# Altium PCB TIMESTICK_2.1.PcbDoc (part 1 of 2) (continued)
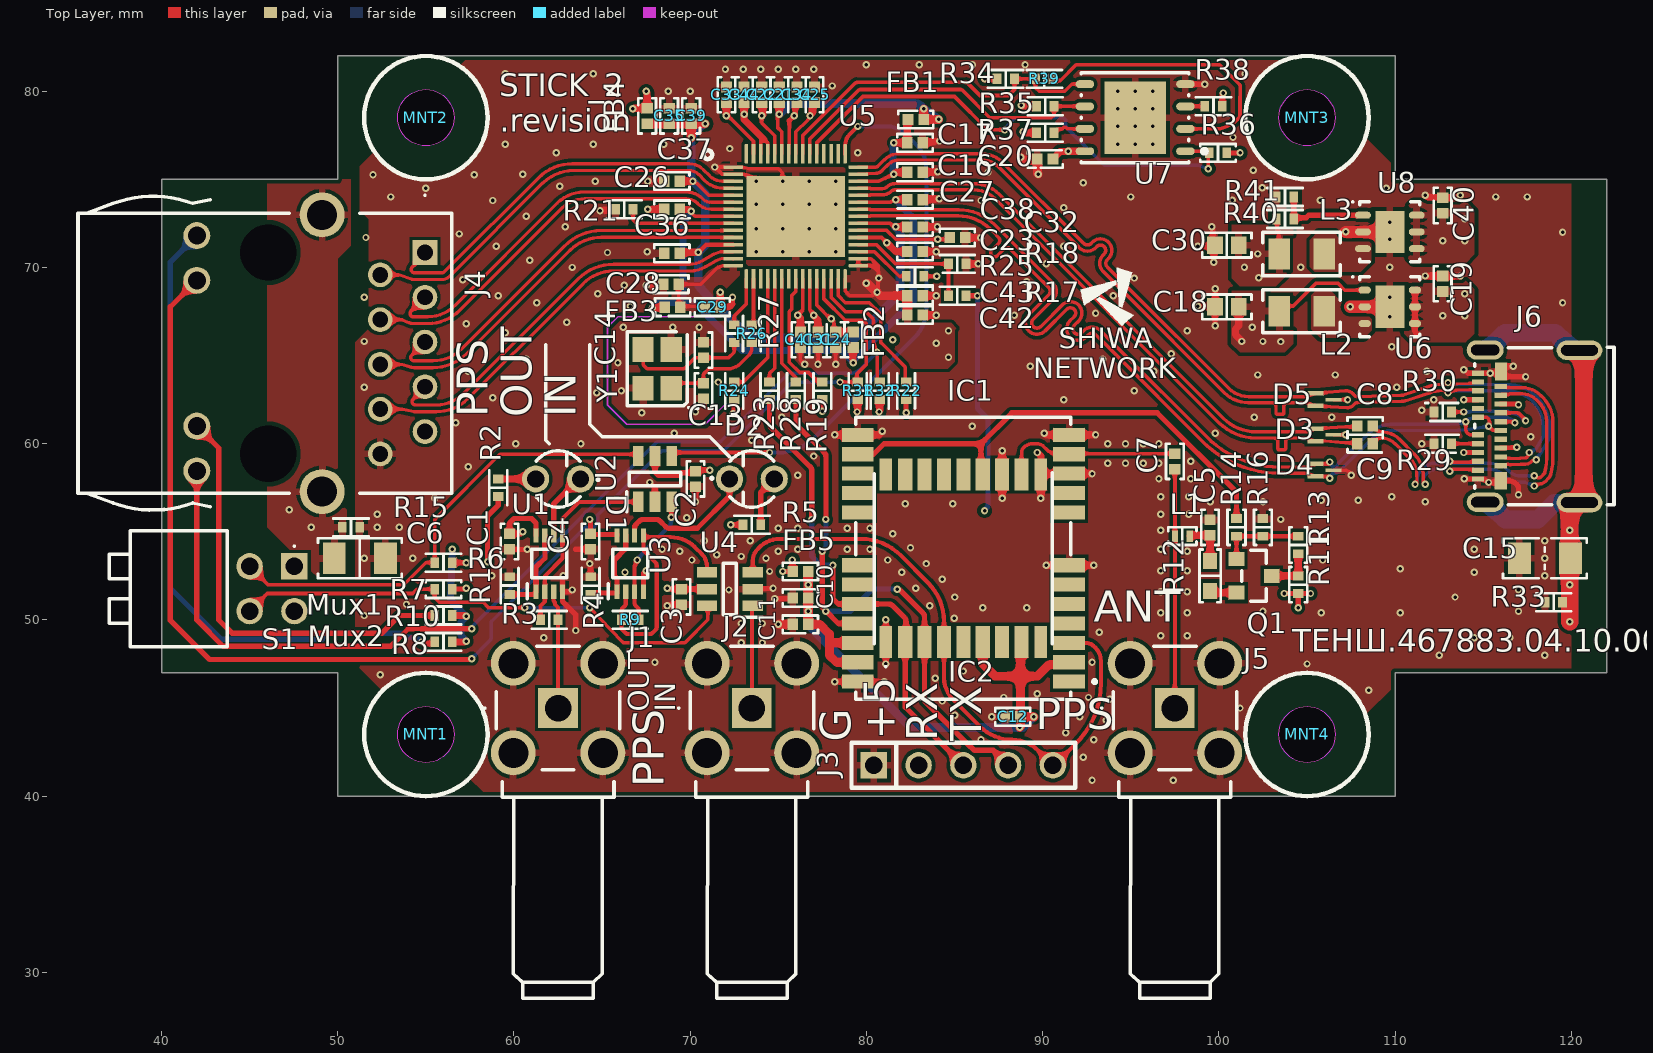
[diagram p0: Top Layer view]
## Part data (continued)
L2 L3: library part LQM2HPN3R3MG0L, "FIXED IND 3.3UH 1.2A 100 MOHM", Current Rating (Amps)=1.2A, DC Resistance (DCR)="125mOhm Max", Device Package="1008 (2520 Metric)", Frequency - Self Resonant=30MHz, Inductance Frequency - Test=1MHz, Manufacturer="Murata Electronics", Operating Temperature="-55°C ~ 125°C", Supplier Part Number 1=490-5115-1-ND, Tolerance=±20%, componentlink1description=Datasheet, componentlink1url=https://search.murata.co.jp/Ceramy/image/img/P02/JELF243B-0019.pdf, componentlink2description="DigiKey Link", componentlink2url=http://digikey.com/product-detail/en/murata-electronics/LQM2HPN3R3MG0L/490-5115-1-ND/1893678, Height - Seated (Max)="0.039\" (1.00mm)", Inductance=3.3µH, LastUpdated="02.09.2020 1:29:06", Lifecycle Status=Active, Material - Core=Ferrite, Minimum Order=1, Mounting Type="Surface Mount", Package / Case="1008 (2520 Metric)", packaging=TapeAndReel, Part Number=LQM2HPN3R3MG0L, Part Status=Active, partid=3442, Price=0.12, series=LQM2, Shielding=Shielded, Size / Dimension="0.098\" L x 0.079\" W (2.50mm x 2.00mm)", Supplier 1=DigiKey, Supplier Device Package="1008 (2520 Metric)", Type=Multilayer
MNT1 MNT2 MNT3 MNT4: "Mount hole"
Q1: "MOSFET BVDSS: 8V-24V SOT23 T&R 3", Current - Continuous Drain (Id) @ 25°C="2.8A (Ta)", Drain to Source Voltage (Vdss)=20V, Drive Voltage (Max Rds On,  Min Rds On)="2.5V, 4.5V", Input Capacitance (Ciss) (Max) @ Vds="130pF @ 10V", Manufacturer="Diodes Incorporated", Operating Temperature="-55°C ~ 150°C (TJ)", Package / Case="TO-236-3, SC-59, SOT-23-3", Power Dissipation (Max)="660mW (Ta)", Supplier Device Package=SOT-23, Supplier Part Number 1=31-DMG2302UKQ-7CT-ND, componentlink2description="DigiKey Link", componentlink2url=http://digikey.com/product-detail/en/diodes-incorporated/DMG2302UKQ-7/31-DMG2302UKQ-7CT-ND/11656546, FET Type=N-Channel, Gate Charge (Qg) (Max) @ Vgs="2.8nC @ 10V", LastUpdated="30.08.2020 21:04:43", Lifecycle Status=Active, Minimum Order=1, Mounting Type="Surface Mount", packaging=TapeAndReel, Part Number=DMG2302UKQ-7, Price=0.09, Rds On (Max) @ Id, Vgs="90mOhm @ 3.6A, 4.5V", series="Automotive, AEC-Q101", Supplier 1=DigiKey, Technology="MOSFET (Metal Oxide)", Vgs (Max)=±12V, Vgs(th) (Max) @ Id="1V @ 250µA"
R1 R2 R4 R5 R31 R32 R34 R35 R36 R37 R38: library part RC0402FR-074k7L, "RES 4.7K OHM 1% 1/16W 0402", Device Package="0402 (1005 Metric)", Manufacturer=Yageo, Operating Temperature="-55°C ~ 155°C", Part Number=RC0402FR-074K7L, Power (Watts)="0.063W, 1/16W", Supplier Device Package=0402, Supplier Part Number 1=311-4.7KLRCT-ND, Temperature Coefficient=±100ppm/°C, Tolerance=±1%, componentlink1description=Datasheet, componentlink1url=https://www.yageo.com/upload/media/product/productsearch/datasheet/rchip/PYu-RC_Group_51_RoHS_L_10.pdf, componentlink2description="DigiKey Link", componentlink2url=https://www.digikey.com/en/products/detail/yageo/RC0402FR-074K7L/2827563, Composition="Thick Film", Features="Moisture Resistant", Height - Seated (Max)="0.016\" (0.40mm)", LastUpdated="25.07.2024 9:18:11", Lifecycle Status=Active, Minimum Order=1, Number of Terminations=2, Package / Case="0402 (1005 Metric)", packaging=CutTape, Part Status=Active, partid=17603, Price=0.01, Resistance="4.7 kOhms", series=RC_L, Size / Dimension="0.039\" L x 0.020\" W (1.00mm x 0.50mm)", Supplier 1=DigiKey
R3 R9 R11 R13 R14 R16 R23 R26 R28: library part RC0402FR-070RL, "RES 0 OHM JUMPER 1/16W 0402", Device Package="0402 (1005 Metric)", Manufacturer=Yageo, Operating Temperature="-55°C ~ 155°C", Power (Watts)="0.063W, 1/16W", Supplier Device Package=0402, Supplier Part Number 1=311-0.0LRCT-ND, Tolerance=Jumper, componentlink1description=Datasheet, componentlink1url=https://www.yageo.com/upload/media/product/productsearch/datasheet/rchip/PYu-RC_Group_51_RoHS_L_10.pdf, componentlink2description="DigiKey Link", componentlink2url=https://www.digikey.com/en/products/detail/yageo/RC0402FR-070RL/2827570, Composition="Thick Film", Features="Moisture Resistant", Height - Seated (Max)="0.016\" (0.40mm)", LastUpdated="25.07.2024 9:18:11", Lifecycle Status=Active, Minimum Order=1, Number of Terminations=2, Package / Case="0402 (1005 Metric)", packaging=CutTape, Part Number=RC0402FR-070RL, Part Status=Active, partid=17630, Price=0.01, Resistance="0 Ohms", series=RC_L, Size / Dimension="0.039\" L x 0.020\" W (1.00mm x 0.50mm)", Supplier 1=DigiKey
R6 R7 R19 R40: library part RC0402FR-0710KL, "RES 10K OHM 1% 1/16W 0402", Device Package="0402 (1005 Metric)", Manufacturer=Yageo, Operating Temperature="-55°C ~ 155°C", Power (Watts)="0.063W, 1/16W", Supplier Device Package=0402, Supplier Part Number 1=311-10.0KLRCT-ND, Temperature Coefficient=±100ppm/°C, Tolerance=±1%, componentlink1description=Datasheet, componentlink1url=https://www.yageo.com/upload/media/product/productsearch/datasheet/rchip/PYu-RC_Group_51_RoHS_L_10.pdf, componentlink2description="DigiKey Link", componentlink2url=https://www.digikey.com/en/products/detail/yageo/RC0402FR-0710KL/726523, Composition="Thick Film", Features="Moisture Resistant", Height - Seated (Max)="0.016\" (0.40mm)", LastUpdated="25.07.2024 9:18:11", Lifecycle Status=Active, Minimum Order=1, Number of Terminations=2, Package / Case="0402 (1005 Metric)", packaging=CutTape, Part Number=RC0402FR-0710KL, Part Status=Active, partid=17593, Price=0.01, Resistance="10 kOhms", series=RC_L, Size / Dimension="0.039\" L x 0.020\" W (1.00mm x 0.50mm)", Supplier 1=DigiKey
R8 R10: library part RC0402FR-07330RL, "RES 330 OHM 1% 1/16W 0402", Device Package="0402 (1005 Metric)", Manufacturer=Yageo, Operating Temperature="-55°C ~ 155°C", Power (Watts)="0.063W, 1/16W", Supplier Device Package=0402, Supplier Part Number 1=311-330LRCT-ND, Temperature Coefficient=±100ppm/°C, Tolerance=±1%, componentlink1description=Datasheet, componentlink1url=https://www.yageo.com/upload/media/product/productsearch/datasheet/rchip/PYu-RC_Group_51_RoHS_L_10.pdf, componentlink2description="DigiKey Link", componentlink2url=https://www.digikey.com/en/products/detail/yageo/RC0402FR-07330RL/726594, Composition="Thick Film", Features="Moisture Resistant", Height - Seated (Max)="0.016\" (0.40mm)", LastUpdated="25.07.2024 9:18:08", Lifecycle Status=Active, Minimum Order=1, Number of Terminations=2, Package / Case="0402 (1005 Metric)", packaging=CutTape, Part Number=RC0402FR-07330RL, Part Status=Active, partid=20556, Price=0.01, Resistance="330 Ohms", series=RC_L, Size / Dimension="0.039\" L x 0.020\" W (1.00mm x 0.50mm)", Supplier 1=DigiKey
R12: library part RC0603FR-0710RL, "RES 10 OHM 1% 1/10W 0603", Device Package="0603 (1608 Metric)", Manufacturer=Yageo, Operating Temperature="-55°C ~ 155°C", Power (Watts)="0.1W, 1/10W", Supplier Device Package=0603, Supplier Part Number 1=311-10.0HRCT-ND, Temperature Coefficient=±200ppm/°C, Tolerance=±1%, componentlink1description=Datasheet, componentlink1url=https://www.yageo.com/upload/media/product/productsearch/datasheet/rchip/PYu-RC_Group_51_RoHS_L_10.pdf, componentlink2description="DigiKey Link", componentlink2url=https://www.digikey.com/en/products/detail/yageo/RC0603FR-0710RL/726879, Composition="Thick Film", Features="Moisture Resistant", Height - Seated (Max)="0.022\" (0.55mm)", LastUpdated="25.07.2024 9:19:19", Lifecycle Status=Active, Minimum Order=1, Number of Terminations=2, Package / Case="0603 (1608 Metric)", packaging=TapeAndReel, Part Number=RC0603FR-0710RL, Part Status=Active, partid=22607, Price=0.01, Resistance="10 Ohms", series=RC_L, Size / Dimension="0.063\" L x 0.031\" W (1.60mm x 0.80mm)", Supplier 1=DigiKey
R15 R33: library part RC0402FR-071ML, "RES 1M OHM 1% 1/16W 0402", Device Package="0402 (1005 Metric)", Manufacturer=Yageo, Operating Temperature="-55°C ~ 155°C", Power (Watts)="0.063W, 1/16W", Supplier Device Package=0402, Supplier Part Number 1=311-1.00MLRCT-ND, Temperature Coefficient=±100ppm/°C, Tolerance=±1%, componentlink1description=Datasheet, componentlink1url=https://www.yageo.com/upload/media/product/productsearch/datasheet/rchip/PYu-RC_Group_51_RoHS_L_10.pdf, componentlink2description="DigiKey Link", componentlink2url=https://www.digikey.com/en/products/detail/yageo/RC0402FR-071ML/726515, Composition="Thick Film", Features="Moisture Resistant", Height - Seated (Max)="0.016\" (0.40mm)", LastUpdated="25.07.2024 9:18:11", Lifecycle Status=Active, Minimum Order=1, Number of Terminations=2, Package / Case="0402 (1005 Metric)", packaging=CutTape, Part Number=RC0402FR-071ML, Part Status=Active, partid=17592, Price=0.01, Resistance="1 MOhms", series=RC_L, Size / Dimension="0.039\" L x 0.020\" W (1.00mm x 0.50mm)", Supplier 1=DigiKey
R17: library part RC0402FR-0749K9L, "RES 49.9K OHM 1% 1/16W 0402", Device Package="0402 (1005 Metric)", Manufacturer=Yageo, Operating Temperature="-55°C ~ 155°C", Power (Watts)="0.063W, 1/16W", Supplier Device Package=0402, Supplier Part Number 1=311-49.9KLRCT-ND, Temperature Coefficient=±100ppm/°C, Tolerance=±1%, componentlink1description=Datasheet, componentlink1url=https://www.yageo.com/upload/media/product/productsearch/datasheet/rchip/PYu-RC_Group_51_RoHS_L_10.pdf, componentlink2description="DigiKey Link", componentlink2url=https://www.digikey.com/en/products/detail/yageo/RC0402FR-0749K9L/726620, Composition="Thick Film", Features="Moisture Resistant", Height - Seated (Max)="0.016\" (0.40mm)", LastUpdated="25.07.2024 9:18:11", Lifecycle Status=Active, Minimum Order=1, Number of Terminations=2, Package / Case="0402 (1005 Metric)", packaging=CutTape, Part Number=RC0402FR-0749K9L, Part Status=Active, partid=17919, Price=0.01, Resistance="49.9 kOhms", series=RC_L, Size / Dimension="0.039\" L x 0.020\" W (1.00mm x 0.50mm)", Supplier 1=DigiKey
R18: library part RC0402FR-07100KL, "RES 100K OHM 1% 1/16W 0402", Device Package="0402 (1005 Metric)", Manufacturer=Yageo, Operating Temperature="-55°C ~ 155°C", Power (Watts)="0.063W, 1/16W", Supplier Device Package=0402, Supplier Part Number 1=311-100KLRCT-ND, Temperature Coefficient=±100ppm/°C, Tolerance=±1%, componentlink1description=Datasheet, componentlink1url=https://www.yageo.com/upload/media/product/productsearch/datasheet/rchip/PYu-RC_Group_51_RoHS_L_10.pdf, componentlink2description="DigiKey Link", componentlink2url=https://www.digikey.com/en/products/detail/yageo/RC0402FR-07100KL/726526, Composition="Thick Film", Features="Moisture Resistant", Height - Seated (Max)="0.016\" (0.40mm)", LastUpdated="25.07.2024 9:18:11", Lifecycle Status=Active, Minimum Order=1, Number of Terminations=2, Package / Case="0402 (1005 Metric)", packaging=CutTape, Part Number=RC0402FR-07100KL, Part Status=Active, partid=17595, Price=0.01, Resistance="100 kOhms", series=RC_L, Size / Dimension="0.039\" L x 0.020\" W (1.00mm x 0.50mm)", Supplier 1=DigiKey
R21: library part RC0402FR-0724KL, "RES 24K OHM 1% 1/16W 0402", Device Package="0402 (1005 Metric)", Manufacturer=Yageo, Operating Temperature="-55°C ~ 155°C", Power (Watts)="0.063W, 1/16W", Supplier Device Package=0402, Supplier Part Number 1=311-24KLRCT-ND, Temperature Coefficient=±100ppm/°C, Tolerance=±1%, componentlink1description=Datasheet, componentlink1url=https://www.yageo.com/upload/media/product/productsearch/datasheet/rchip/PYu-RC_Group_51_RoHS_L_10.pdf, componentlink2description="DigiKey Link", componentlink2url=https://www.digikey.com/en/products/detail/yageo/RC0402FR-0724KL/2827581, Composition="Thick Film", Features="Moisture Resistant", Height - Seated (Max)="0.016\" (0.40mm)", LastUpdated="25.07.2024 9:18:19", Lifecycle Status=Active, Minimum Order=1, Number of Terminations=2, Package / Case="0402 (1005 Metric)", packaging=CutTape, Part Number=RC0402FR-0724KL, Part Status=Active, partid=2562, Price=0.01, Resistance="24 kOhms", series=RC_L, Size / Dimension="0.039\" L x 0.020\" W (1.00mm x 0.50mm)", Supplier 1=DigiKey
R22 R24 R25: library part RC0402FR-0747KL, "RES 47K OHM 1% 1/16W 0402", Device Package="0402 (1005 Metric)", Manufacturer=Yageo, Operating Temperature="-55°C ~ 155°C", Power (Watts)="0.063W, 1/16W", Supplier Device Package=0402, Supplier Part Number 1=311-47.0KLRCT-ND, Temperature Coefficient=±100ppm/°C, Tolerance=±1%, componentlink1description=Datasheet, componentlink1url=https://www.yageo.com/upload/media/product/productsearch/datasheet/rchip/PYu-RC_Group_51_RoHS_L_10.pdf, componentlink2description="DigiKey Link", componentlink2url=https://www.digikey.com/en/products/detail/yageo/RC0402FR-0747KL/726616, Composition="Thick Film", Features="Moisture Resistant", Height - Seated (Max)="0.016\" (0.40mm)", LastUpdated="25.07.2024 9:18:08", Lifecycle Status=Active, Minimum Order=1, Number of Terminations=2, Package / Case="0402 (1005 Metric)", packaging=CutTape, Part Number=RC0402FR-0747KL, Part Status=Active, partid=20550, Price=0.01, Resistance="47 kOhms", series=RC_L, Size / Dimension="0.039\" L x 0.020\" W (1.00mm x 0.50mm)", Supplier 1=DigiKey
R27: library part RC0402FR-07200RL, "RES 200 OHM 1% 1/16W 0402", Device Package="0402 (1005 Metric)", Manufacturer=Yageo, Operating Temperature="-55°C ~ 155°C", Power (Watts)="0.063W, 1/16W", Supplier Device Package=0402, Supplier Part Number 1=311-200LRCT-ND, Temperature Coefficient=±100ppm/°C, Tolerance=±1%, componentlink1description=Datasheet, componentlink1url=https://www.yageo.com/upload/media/product/productsearch/datasheet/rchip/PYu-RC_Group_51_RoHS_L_10.pdf, componentlink2description="DigiKey Link", componentlink2url=https://www.digikey.com/en/products/detail/yageo/RC0402FR-07200RL/2827569, Composition="Thick Film", Features="Moisture Resistant", Height - Seated (Max)="0.016\" (0.40mm)", LastUpdated="25.07.2024 9:18:11", Lifecycle Status=Active, Minimum Order=1, Number of Terminations=2, Package / Case="0402 (1005 Metric)", packaging=CutTape, Part Number=RC0402FR-07200RL, Part Status=Active, partid=17915, Price=0.01, Resistance="200 Ohms", series=RC_L, Size / Dimension="0.039\" L x 0.020\" W (1.00mm x 0.50mm)", Supplier 1=DigiKey
R29 R30: library part RC0402FR-075k1L, "RES 5.1K OHM 1% 1/16W 0402", Device Package="0402 (1005 Metric)", Manufacturer=Yageo, Operating Temperature="-55°C ~ 155°C", Part Number=RC0402FR-075K1L, Power (Watts)="0.063W, 1/16W", Supplier Device Package=0402, Supplier Part Number 1=311-5.10KLRCT-ND, Temperature Coefficient=±100ppm/°C, Tolerance=±1%, componentlink1description=Datasheet, componentlink1url=https://www.yageo.com/upload/media/product/productsearch/datasheet/rchip/PYu-RC_Group_51_RoHS_L_10.pdf, componentlink2description="DigiKey Link", componentlink2url=https://www.digikey.com/en/products/detail/yageo/RC0402FR-075K1L/726624, Composition="Thick Film", Features="Moisture Resistant", Height - Seated (Max)="0.016\" (0.40mm)", LastUpdated="25.07.2024 9:18:11", Lifecycle Status=Active, Minimum Order=1, Number of Terminations=2, Package / Case="0402 (1005 Metric)", packaging=CutTape, Part Status=Active, partid=17937, Price=0.01, Resistance="5.1 kOhms", series=RC_L, Size / Dimension="0.039\" L x 0.020\" W (1.00mm x 0.50mm)", Supplier 1=DigiKey
R39: library part RC0402FR-0722RL, "RES 22 OHM 1% 1/16W 0402", Device Package="0402 (1005 Metric)", Manufacturer=Yageo, Operating Temperature="-55°C ~ 155°C", Power (Watts)="0.063W, 1/16W", Supplier Device Package=0402, Supplier Part Number 1=311-22.0LRCT-ND, Temperature Coefficient=±100ppm/°C, Tolerance=±1%, componentlink1description=Datasheet, componentlink1url=https://www.yageo.com/upload/media/product/productsearch/datasheet/rchip/PYu-RC_Group_51_RoHS_L_10.pdf, componentlink2description="DigiKey Link", componentlink2url=https://www.digikey.com/en/products/detail/yageo/RC0402FR-0722RL/726562, Composition="Thick Film", Features="Moisture Resistant", Height - Seated (Max)="0.016\" (0.40mm)", LastUpdated="25.07.2024 9:18:11", Lifecycle Status=Active, Minimum Order=1, Number of Terminations=2, Package / Case="0402 (1005 Metric)", packaging=CutTape, Part Number=RC0402FR-0722RL, Part Status=Active, partid=17600, Price=0.01, Resistance="22 Ohms", series=RC_L, Size / Dimension="0.039\" L x 0.020\" W (1.00mm x 0.50mm)", Supplier 1=DigiKey
R41: library part RC0402FR-0739K2L, "RES 39.2K OHM 1% 1/16W 0402", Device Package="0402 (1005 Metric)", Manufacturer=Yageo, Operating Temperature="-55°C ~ 155°C", Power (Watts)="0.063W, 1/16W", Supplier Device Package=0402, Supplier Part Number 1=311-39.2KLRCT-ND, Temperature Coefficient=±100ppm/°C, Tolerance=±1%, componentlink1description=Datasheet, componentlink1url=https://www.yageo.com/upload/media/product/productsearch/datasheet/rchip/PYu-RC_Group_51_RoHS_L_10.pdf, componentlink2description="DigiKey Link", componentlink2url=https://www.digikey.com/en/products/detail/yageo/RC0402FR-0739K2L/726603, Composition="Thick Film", Features="Moisture Resistant", Height - Seated (Max)="0.016\" (0.40mm)", LastUpdated="25.07.2024 9:18:08", Lifecycle Status=Active, Minimum Order=1, Number of Terminations=2, Package / Case="0402 (1005 Metric)", packaging=CutTape, Part Number=RC0402FR-0739K2L, Part Status=Active, partid=20819, Price=0.01, Resistance="39.2 kOhms", series=RC_L, Size / Dimension="0.039\" L x 0.020\" W (1.00mm x 0.50mm)", Supplier 1=DigiKey
S1: "DIP Switch, 2P", Manufacturer_Name="XKB Connectivity", Datasheet Link=http://www.helloxkb.com/public/images/pdf/DA-XX-X-X.pdf, Height=10.1mm, Manufacturer_Part_Number=DA-02RP
U1 U3: "Integrated Circuit", Manufacturer_Name=onsemi, Datasheet Link=https://www.lcsc.com/datasheet/lcsc_datasheet_2410121813_onsemi-NC7WZ125K8X_C457629.pdf, Height=0.9mm, Manufacturer_Part_Number=NC7WZ125K8X
U2 U4: "Integrated Circuit", Manufacturer_Name="Texas Instruments", Mouser Part Number=595-SN74LVC1G3157DBV, Arrow Part Number=SN74LVC1G3157DBVR, Arrow Price/Stock=https://www.arrow.com/en/products/sn74lvc1g3157dbvr/texas-instruments?region=nac, Datasheet Link=http://componentsearchengine.com/Datasheets/1/SN74LVC1G3157DBVR.pdf, Height=1.45mm, Manufacturer_Part_Number=SN74LVC1G3157DBVR, Mouser Price/Stock=https://www.mouser.co.uk/ProductDetail/Texas-Instruments/SN74LVC1G3157DBVR?qs=PVVDbbWpW3ID6l2sElWeMw%3D%3D
U5: library part IC_AX88279
U6: library part CMP-0240-00158-1, "Synchronous rectification with inhibit, 1.5 A, 1.5 MHz adjustable, step-down switching regulator, 6-Pin DFN", Case/Package=DFN, Frequency=1.5MHz, Manufacturer=STMicroelectronics, Max Operating Temperature=125°C, Max Output current=1.5A, Max Supply Voltage=6V, Min Input Voltage=2.7V, Min Operating Temperature=-30°C, Output Voltage=3.3V, Package Quantity=1, Quiescent Current=1.5mA, Supplier Part Number=497-6311-1-ND, Accuracy=2%, Category="Voltage Regulators - Switching", componentlink1description="Manufacturer URL", componentlink1url=http://www.st.com, componentlink2description=Datasheet, componentlink2url=http://www.st.com/internet/com/TECHNICAL_RESOURCES/TECHNICAL_LITERATURE/DATASHEET/CD00100211.pdf, ComponentLink3Description=https://datasheet.ciiva.com/15113/getdatasheetpartid-188384-15113793.pdf?src-supplier=Verical, ComponentLink3URL=https://datasheet.ciiva.com/15113/getdatasheetpartid-188384-15113793.pdf?src-supplier=Verical, ComponentLink4Description=https://datasheet.ciiva.com/2029/cd00100211-2029328.pdf?src-supplier=Digikey, ComponentLink4URL=https://datasheet.ciiva.com/2029/cd00100211-2029328.pdf?src-supplier=Digikey, ComponentLink5Description=https://datasheet.ciiva.com/2029/cd00100211-2029329.pdf?src-supplier=Digikey, ComponentLink5URL=https://datasheet.ciiva.com/2029/cd00100211-2029329.pdf?src-supplier=Digikey, ComponentLink6Description=https://datasheet.ciiva.com/2029/cd00100211-2029330.pdf?src-supplier=Digikey, ComponentLink6URL=https://datasheet.ciiva.com/2029/cd00100211-2029330.pdf?src-supplier=Digikey, ComponentLink7Description=https://datasheet.ciiva.com/16489/cd00100211-16489901.pdf?src-supplier=Future+Electronics, ComponentLink7URL=https://datasheet.ciiva.com/16489/cd00100211-16489901.pdf?src-supplier=Future+Electronics, ComponentLink8Description=https://datasheet.ciiva.com/4905/cd00100211-4905371.pdf?src-supplier=Mouser, ComponentLink8URL=https://datasheet.ciiva.com/4905/cd00100211-4905371.pdf?src-supplier=Mouser, DatasheetVersion=May-2009, Efficiency=90%, Height=0.95mm, Lead Free="Lead Free", Length=3.1mm, Manufacturer Part Number=ST1S06PU33R, Mounting Technology="Surface Mount", Number of Outputs=1, Operating Supply Voltage=6V, Output Current=1.5A, Output Type=Fixed,Adjustable, PackageDescription="6-Pin Plastic, Dual LLP, 3 x 3 mm Body, 0.95 mm Pitch, Exposed Pad", PackageReference=DFN6D, PackageVersion=2008, packaging="Tape and Reel", Pins=6, Polarity=Positive, Pricing="1=1.46, 10=1.306, 25=1.2392, 100=1.0179, 250=0.95156, 500=0.8409, 1000=0.66387 (USD)", Radiation Hardening=No, RoHS=Yes, RoHS Compliant=Yes, series=-, Stock=5274, Supplier=Digikey, Switching Frequency=1.5MHz, Synchronous Rectifier=Yes, Weight=0.000744oz, Width=3.1mm
U7: library part CMP-00252-18686437-1, "SST25VF016B-50-4I-QAF-T Flash Serial-SPI 3.3V 16Mbit 2M x 8bit 8ns 8-Pin WSON EP T/R - Tape and Reel", Frequency=50MHz, Max Operating Temperature=85°C, Max Supply Voltage=3.6V, Min Operating Temperature=-40°C, Min Supply Voltage=2.7V, Nominal Supply Current=15mA, Operating Supply Voltage=3.3V, Access Time=8ns, Address Bus Width=1b, Data Bus Width=8b, Density=16Mb, Height=800µm, Interface=SPI, Lead Free="Lead Free", Lifecycle Status=Production, Max Frequency=50MHz, Memory Size=2MB, Memory Type=FLASH, Mount="Surface Mount", NexarPartId=18686437, Number of Pins=8, packaging="Tape and Reel", Radiation Hardening=No, RoHS=Compliant, Schedule B="8542320050, 8542320050", Sync/Async=Synchronous, Word Size=8b
U8: library part CMP-0240-00159-1, "Synchronous rectification with inhibit, 1.5 A, 1.5 MHz adjustable, step-down switching regulator, 6-Pin DFN", componentlink1description="Manufacturer URL", componentlink1url=http://www.st.com, componentlink2description=Datasheet, componentlink2url=http://www.st.com/internet/com/TECHNICAL_RESOURCES/TECHNICAL_LITERATURE/DATASHEET/CD00100211.pdf, DatasheetVersion=May-2009, PackageDescription="6-Pin Plastic, Dual LLP, 3 x 3 mm Body, 0.95 mm Pitch, Exposed Pad", PackageReference=DFN6D, PackageVersion=2008
Y1: library part NX3225GA-25.000M-STD-CRG-2, "CRYSTAL 25.0000MHZ 8PF SMD", ESR (Equivalent Series Resistance)="50 Ohms", Frequency Stability=±30ppm, Frequency Tolerance=±20ppm, Load Capacitance=8pF, Manufacturer="NDK America, Inc.", Operating Mode=Fundamental, Operating Temperature="-40°C ~ 85°C", Package / Case="4-SMD, No Lead", Supplier Part Number 1=644-1259-1-ND, componentlink1description=Datasheet, componentlink1url=http://www.ndk.com/images/products/catalog/c_NX3225GA-STD-CRG-2_e.pdf, componentlink2description="DigiKey Link", componentlink2url=https://www.digikey.com/en/products/detail/ndk-america-inc/NX3225GA-25-000M-STD-CRG-2/5022963, Frequency="25 MHz", Height - Seated (Max)="0.035\" (0.90mm)", LastUpdated="03.06.2024 20:02:19", Lifecycle Status=Active, Minimum Order=1, Mounting Type="Surface Mount", packaging=TapeAndReel, Part Number=NX3225GA-25.000M-STD-CRG-2, Part Status=Active, partid=547, Price=0.27, series=NX3225GA, Size / Dimension="0.126\" L x 0.098\" W (3.20mm x 2.50mm)", Supplier 1=DigiKey, Type="MHz Crystal"

## Via types
v1: diameter 0.42, hole 0.2, Top Layer to Bottom Layer, tented both sides, 467 vias

## Nets (pads, with @x,y where several pads share a name; then routed paths per layer and width w, separated by ;. In a path a pad name is that pad's centre, name@x,y a point inside that pad or via, vN(x,y) a via of type N, cw(c..) or ccw(c..) an arc to the next point about the centre after c; other vN are vias at no path point)
1PPS_IN: R9.1 U3.2 U3.5 U4.4 | length 14.6
  Top Layer w0.233: R9.1@66.1,50 66.1,49.596 ccw(c66.333,49.596) 66.168,49.432 66.333,49.267 ccw(c66.496,49.433) 66.495,49.2 67.704,49.2 ccw(c67.704,49.433) 67.868,49.268 68.032,49.432 ccw(c67.867,49.596) 68.1,49.596 68.1,53.104 ccw(c67.867,53.104) 68.032,53.268 67.412,53.888 cw(c67.577,54.052) 67.344,54.052 U3.5@67.344,54.798 ; R9.1@66.1,50.011 66.1,50.504 cw(c66.333,50.504) 66.168,50.668 66.276,50.776 ccw(c66.112,50.941) 66.344,50.941 U3.2@66.344,51.598 ; U3.5@67.443,54.7 68.872,54.7 cw(c68.873,52.703) 70.281,54.119 70.657,53.743 70.659,53.741 cw(c69.955,53.038) 70.95,53.04 70.95,52.884 U4.4@70.95,52.7
1PPS_IN_BUFF: R9.2 U2.3 U3.3 | length 7.6
  Top Layer w0.233: v1(67,53.4) 66.864,53.089 ccw(c67.077,52.996) 66.844,52.996 66.844,50.952 ccw(c67.077,50.952) 66.912,50.788 67.033,50.667 cw(c66.867,50.504) 67.1,50.504 R9.2@67.1,50 ; v1(68.925,55.825) ccw(c68.717,55.93) 68.95,55.93 U2.3@68.95,56.7
  Bottom Layer w0.233: v1(67,53.4) 67.411,53.909 cw(c67.592,53.763) 67.428,53.928 68.832,55.332 ccw(c68.667,55.496) 68.9,55.492 cw(c69.132,55.486) 68.9,55.502 v1(68.925,55.825)
1PPS_IN_LED: D2.C U3.6 | length 8
  Top Layer w0.3: U3.6@66.844,54.798 66.844,55.22 cw(c67.144,55.22) 66.931,55.431 67.113,55.613 cw(c67.324,55.4) 67.324,55.7 68.076,55.7 cw(c68.076,55.4) 68.288,55.612 68.613,55.287 ccw(c68.824,55.5) 68.824,55.2 70.4,55.2 72.23,57.03 D2.C@72.23,58 D2.C@72.25,58.02
1PPS_OUT: R3.2 U1.2 U1.5 U2.1 | length 11
  Top Layer w0.233: R3.2@61.5,50 61.5,50.8 61.75,51.05 U1.2@61.75,51.6 61.75,52.5 62.75,53.5 U1.5@62.75,54.8 62.75,55.75 63.7,56.7 U2.1@67.05,56.7
1PPS_OUT_LED: D1.C U1.6 | length 3.9
  Top Layer w0.3: U1.6@62.25,54.8 62.25,56.58 63.67,58 D1.C@63.77,58
1PPS_SMA_OUT: J1.1 R3.1 U1.3 | length 6.7
  Top Layer w0.233: U1.3@62.25,51.6 62.25,51.146 ccw(c62.483,51.146) 62.318,50.982 62.334,50.966 62.334,50.878 62.5,50.711 cw(c62.267,50.704) 62.5,50.704 R3.1@62.5,50 J1.1@62.5,45
279_1PPS_IO: U2.4 U5.46 | length 33.2
  Top Layer w0.233: U2.4@68.95,59.3 69.15,59.5 v1(74.5,59.5) ; U5.46@78.791,76.45 78.791,76.937 cw(c79.648,76.936) 79.041,77.541 v1(79.5,78)
  Bottom Layer w0.233: v1@74.504,59.498 74.99,59.498 ccw(c74.987,62.42) 77.054,60.354 82.746,66.046 ; v1(79.5,78) 81.214,78 cw(c81.215,76.589) 82.208,77.592 ; 82.209,77.591 82.815,76.985 cw(c81.413,75.577) 83.4,75.578 83.4,75.576 83.4,67.625 cw(c81.169,67.624) 82.747,66.047
279_TOD_IN: IC1.20 IC2.2 J3.3 R23.1 | length 27.4
  Top Layer w0.3: R23.1@74.5,62.5 74.5,61.124 ccw(c74.8,61.124) 74.587,60.913 76.813,58.687 cw(c76.6,58.476) 76.9,58.476 v1(76.9,55.7) ; v1(78.1,53.1) 78.1,51.2 78.4,50.9 IC1.20@79.5,50.9 81.276,50.9 cw(c81.276,50.6) 81.487,50.813 82.163,50.137 cw(c81.95,49.926) 82.25,49.926 82.25,49.5 IC2.2@82.2,48.75 82.2,45.05 J3.3@85.5,41.75
  Bottom Layer w0.3: v1(76.9,55.7) 76.9,53.6 77.4,53.1 v1(78.1,53.1)
279_TOD_IN_R: R23.2 U5.20 | length 6
  Top Layer w0.2: R23.2@74.5,63.5 74.5,64 74.791,64.291 U5.20@74.791,69.35
279_TOD_OUT: IC1.21 IC2.3 J3.4 R28.1 | length 32.8
  Top Layer w0.3: R28.1@76,62.5 76,61.224 ccw(c76.3,61.224) 76.087,61.013 77.613,59.487 cw(c77.4,59.276) 77.7,59.276 v1(77.7,55.7) ; v1(77.5,53.9) 77.5,50.7 v1(77.7,50.5) 78.4,49.8 IC1.21@79.5,49.8 ; v1(81.75,51.75) cw(c81.725,51.451) 81.937,51.663 83.213,50.387 cw(c83,50.176) 83.3,50.176 IC2.3@83.3,48.75 83.3,45.4 85.9,42.8 85.935,42.8 86.135,42.6 87.19,42.6 J3.4@88.04,41.75
  Bottom Layer w0.3: v1(77.5,53.9) 77.7,54.1 v1(77.7,55.7) ; v1(77.7,50.5) 79.1,50.5 80.35,51.75 v1(81.75,51.75)
279_TOD_OUT_R: R28.2 U5.21 | length 6.2
  Top Layer w0.2: U5.21@75.191,69.35 75.191,64.559 76,63.75 R28.2@76,63.5
+5V_ANT: Q1.3 R11.1 R13.2 | length 2.7
  Top Layer w0.4: Q1.3@103,52.5 R11.1@104.5,52.5 R13.2@104.5,53.75
ANT: C7.1 J5.1 L1.2 | length 13.6
  Top Layer w0.233: J5.1@97.5,45 97.5,52.3 L1.2@97.5,54.75 C7.1@97.5,58.56
AVDD10: C16.2 C17.2 FB1.2 U5.43 | length 6.8
  Top Layer w0.203: U5.43@79.541,74.9 80.672,74.9 ccw(c80.672,75.103) 80.759,74.92 v1(81.556,75.3)
  Top Layer w0.4: v1(81.556,75.3) 81.656,75.4 C16.2@82.316,75.4 ; v1(81.556,77.075) C17.2@82.316,77.075 82.316,78.356 FB1.2@82.36,78.4
  Bottom Layer w0.4: v1(81.556,75.3) cw(c81.906,75.494) 81.506,75.494 81.506,76.883 cw(c81.906,76.881) v1(81.556,77.075)
AVDD_1.85: C26.2 C27.2 FB2.2 FB3.2 U5.8 U5.40 | length 37
  Top Layer w0.2: v1(70.056,73.2) 70.055,73.19 ccw(c70.255,73.185) 70.113,73.044 70.198,72.958 ccw(c70.339,73.1) 70.339,72.9 70.605,72.9 71.991,72.9 U5.8@72.441,72.9 ; U5.40@79.541,73.7 81.298,73.7 ccw(c81.298,73.9) 81.424,73.745 ; 81.424,73.745 cw(c81.549,73.589) 81.456,73.766 81.573,73.827 cw(c81.666,73.65) v1(81.666,73.85)
  Top Layer w0.4: v1(67.844,67.7) v1@67.863,67.719 ; v1@67.89,67.719 68.529,67.719 FB3.2@68.56,67.75 ; C26.2@69.396,73.3 69.793,73.3 cw(c69.791,72.9) v1(70.056,73.2) ; v1(79.256,64.6) 79.256,64.627 79.225,64.658 79.225,65.429 FB2.2@79.256,65.46 ; v1(81.666,73.85) C27.2@82.326,73.85
  Bottom Layer w0.4: v1(67.844,67.7) 67.871,67.7 68.171,68 69.445,68 ; 69.6,71.273 69.6,68.321 cw(c69.2,68.321) 69.483,68.038 69.445,68 ; 69.6,71.273 69.6,72.1 cw(c71.156,72.1) v1(70.056,73.2) ; v1(79.256,64.6) 79.256,64.627 79.206,64.677 79.206,64.681 78.587,65.3 76.492,65.3 76.482,65.31 76.018,65.31 76.008,65.3 72.95,65.3 70.25,68 69.445,68 ; v1@79.26,64.631 79.275,64.646 79.275,64.719 82.656,68.1 82.656,72.8 82.333,73.123 82.332,73.124 cw(c82.616,73.406) 82.318,73.138 ccw(c82.022,72.869) 82.317,73.14 v1(81.666,73.85)
AVDD_33: C35.2 C36.2 C37.2 C38.2 C39.2 FB4.2 U5.5 U5.12 U5.37 | length 41.1
  Top Layer w0.2: v1(70.156,74.9) 70.237,74.9 70.376,74.761 70.395,74.761 71.056,74.1 U5.5@72.441,74.1 ; U5.37@79.541,72.5 81.356,72.5 81.556,72.3 v1(81.656,72.3)
  Top Layer w0.25: v1(70.459,70.864) 70.472,70.864 70.908,71.3 U5.12@72.441,71.3
  Top Layer w0.4: C36.2@69.396,70.8 69.46,70.864 v1(70.459,70.864) ; C37.2@69.396,74.9 v1(70.156,74.9) ; v1(81.656,72.3) C38.2@82.316,72.3
  Top Layer w0.5: FB4.2@67.556,78.16 C35.2@68.806,78.16 C39.2@70.056,78.16 ; v1(70.056,77.35) C39.2@70.056,78.16 ; v1(70.856,78.15) 70.846,78.16 C39.2@70.056,78.16
  Bottom Layer w0.5: v1(70.056,77.35) 70.056,75 v1(70.156,74.9) 70.856,74.2 70.856,71.261 v1(70.459,70.864) 70.459,69.155 ccw(c70.959,69.155) 70.589,68.819 71.2,68.146 ccw(c71.7,68.6) 71.23,68.115 73.266,66.141 ccw(c73.614,66.5) 73.614,66 79.356,66 81.906,68.55 81.906,72.05 v1(81.656,72.3) ; v1@70.056,77.45 70.756,78.15 v1(70.856,78.15)
CHASSIS_GND: C6.1 J4.15 J4.16 R15.1
  other v1: 48.5,55.25 47.25,56.25
D_N: D4.2 J6.A7 J6.B7 U5.38 | length 52.2
  Top Layer w0.195: U5.38@79.541,72.9 79.544,72.903 80.191,72.903 ccw(c80.191,72.939) 80.217,72.913 cw(c80.243,72.888) 80.243,72.924 85.224,72.924 cw(c85.224,70.384) 87.017,72.183 87.116,72.084 87.185,72.015 87.502,71.698 cw(c87.344,71.539) 87.502,71.38 87.109,70.987 ccw(c87.268,70.828) 87.109,70.67 ccw(c87.268,70.828) 87.426,70.67 87.82,71.063 cw(c87.978,70.905) 88.137,71.063 88.681,70.519 88.75,70.45 89.474,69.726 89.616,69.584 90.338,68.862 cw(c90.128,68.651) 90.338,68.441 89.162,67.265 89.162,67.258 ccw(c89.674,66.856) 89.214,66.396 ccw(c89.674,66.856) 90.134,66.396 91.361,67.624 ; 91.362,67.624 cw(c91.572,67.414) 91.782,67.624 cw(c91.572,67.414) 91.782,67.204 91.548,66.97 ccw(c92.009,66.51) 91.548,66.049 ccw(c92.009,66.51) 92.469,66.049 92.6,66.18 cw(c92.81,65.97) 93.02,66.18 93.68,65.52 93.822,65.378 99.287,59.913 ccw(c103.452,64.578) 99.3,59.902 ccw(c103.452,64.578) 103.45,58.324 104.941,58.324 ccw(c104.943,58.676) 104.943,58.324 cw(c104.943,58.13) D4.2@105.132,58.174 ; D4.2@105.132,58.174 D4.2@105.492,58.144 106.193,58.144 cw(c106.193,57.993) 106.3,58.1 v1(106.3,58.038) ; J6.A7@114.7,61.5 115.129,61.5 cw(c115.129,61.305) 115.308,61.382 115.351,61.28 cw(c115.172,61.203) 115.353,61.131 v1(115.3,61) ccw(c115.824,61.313) 115.518,60.785 ccw(c115.614,60.954) 115.574,60.764 115.747,60.728 J6.B7@116,60.75
  Bottom Layer w0.195: v1(106.3,58.038) 106.366,58.202 cw(c106.546,58.13) 106.546,58.324 ccw(c106.546,58.87) 107.029,58.614 107.031,58.619 cw(c107.203,58.528) 107.065,58.665 108.665,60.265 cw(c109.841,59.086) 109.735,60.748 ccw(c109.724,60.923) 109.736,60.748 cw(c109.748,60.554) 109.747,60.748 113.073,60.748 113.081,60.748 ccw(c113.08,61.295) 113.104,60.749 113.579,60.769 cw(c113.587,60.575) 113.583,60.769 114.019,60.779 ccw(c114.008,61.236) 114.088,60.786 v1(115.3,61)